# Altium PCB LJ_Mosfet_Power.PcbDoc (part 2 of 5)
Units mm, origin at the board's own origin, x right, y up, seen from the top; angles counter-clockwise.
Board outline 152.51 x 130.13 mm, 2 copper layers (Top Layer, Bottom Layer); 337 components, 193 nets, 1586 pads, 1491 vias.
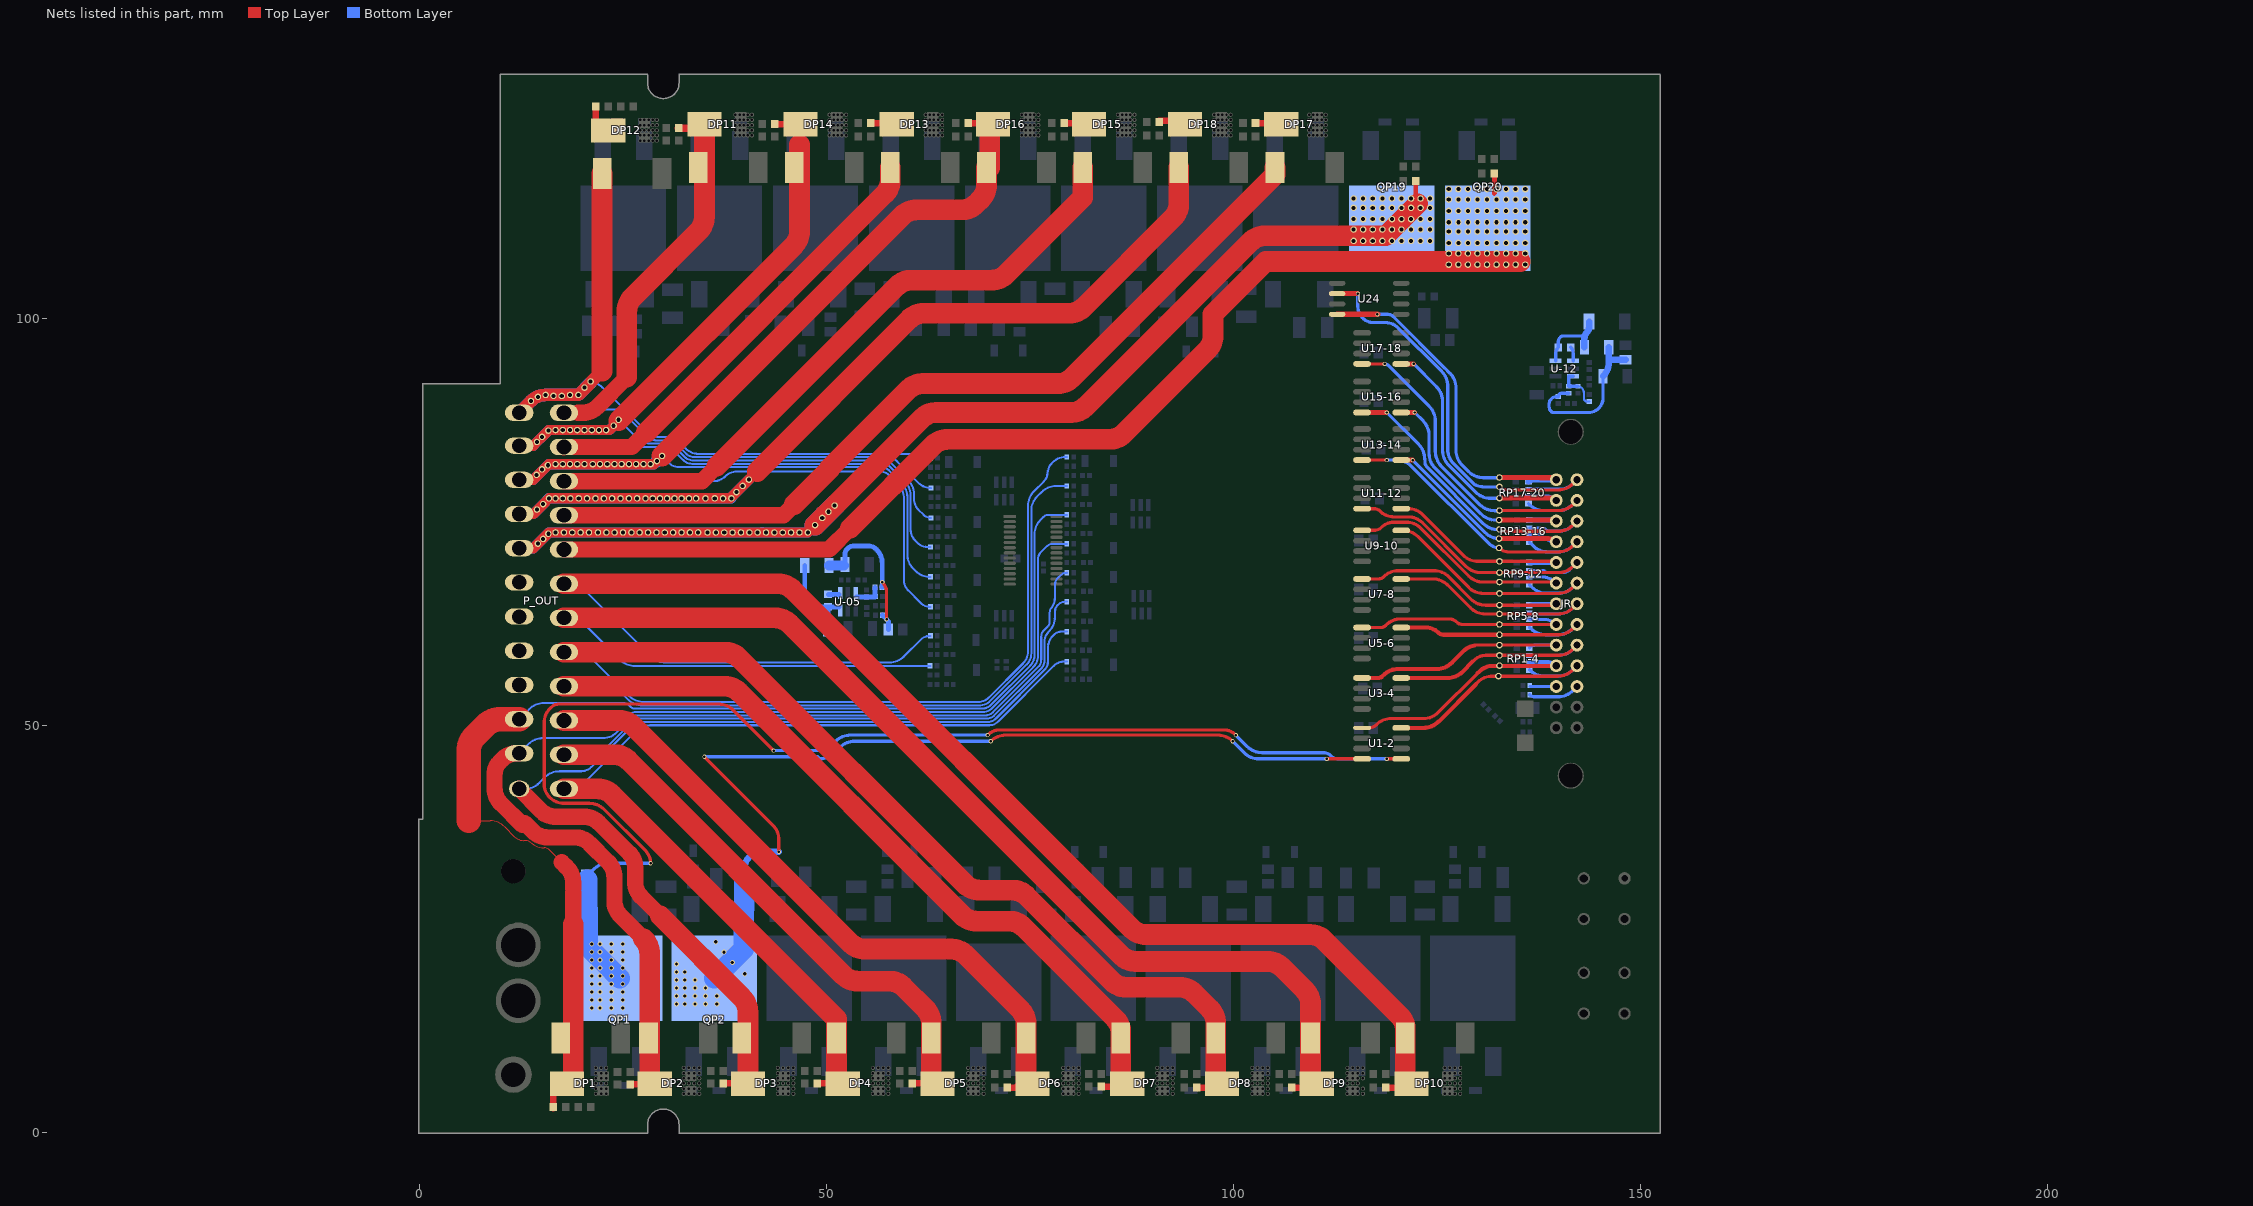
[diagram p2: the nets of this part, all layers, seen from the top]

## Via types
v1: diameter 0.5, hole 0.3, Top Layer to Bottom Layer, tented both sides, 758 vias
v2: diameter 0.6, hole 0.4, Top Layer to Bottom Layer, tented both sides, 698 vias
v3: diameter 0.8, hole 0.5, Top Layer to Bottom Layer, tented both sides, 22 vias
v4: diameter 0.6, hole 0.43, Top Layer to Bottom Layer, tented both sides, 8 vias
v5: diameter 0.5, hole 0.3, Top Layer to Bottom Layer, 3 vias
v6: diameter 0.6, hole 0.3, Top Layer to Bottom Layer, tented both sides, 2 vias

## Nets (pads, with @x,y where several pads share a name; then routed paths per layer and width w, separated by ;. In a path a pad name is that pad's centre, name@x,y a point inside that pad or via, vN(x,y) a via of type N, cw(c..) or ccw(c..) an arc to the next point about the centre after c; other vN are vias at no path point)
INTA: JR.21 RI6.2 | length 3.2
  Bottom Layer w0.4: RI6.2@136.486,54.848 JR.21@139.7,54.848
INTB: JR.22 RI7.2 | length 6.3
  Bottom Layer w0.4: RI7.2@136.442,53.832 ccw(c137.055,54.445) 137.055,53.578 139.918,53.578 ccw(c139.918,56.118) 141.714,54.322 JR.22@142.24,54.848
K_Ctrl_01: JR.20 pad.2@132.588,56.118 RP1-4.4 U1-2.4 | length 30.9
  Top Layer w0.4: 129.812,55.12 130.066,55.374 cw(c131.862,53.578) 131.862,56.118 pad.2@132.588,56.118 139.918,56.118 ccw(c139.918,58.658) 141.714,56.862 JR.20@142.24,57.388
  Top Layer w0.5: U1-2.4@120.65,49.768 123.408,49.768 ccw(c123.408,52.308) 123.411,49.768 ccw(c123.408,52.308) 125.204,50.512 129.812,55.12
  Bottom Layer w0.4: RP1-4.4@136.398,56.908 136.428,56.878 ccw(c138.224,58.674) 138.224,56.134 139.934,56.134 ccw(c139.934,58.674) 141.73,56.878 JR.20@142.24,57.388
K_Ctrl_02: JR.19 pad.2@132.715,57.404 RP1-4.3 U1-2.5 | length 30.1
  Top Layer w0.4: U1-2.5@115.85,49.768 116.682,49.768 ccw(c116.682,51.069) 117.602,50.149 117.62,50.167 cw(c119.416,48.371) 119.416,50.911 123.408,50.911 ccw(c123.408,53.451) 125.204,51.655 130.048,56.499
  Top Layer w0.5: 130.048,56.499 130.193,56.644 cw(c131.989,54.848) 131.989,57.388 JR.19@139.7,57.388
  Bottom Layer w0.5: RP1-4.3@136.398,57.858 138.565,57.858 cw(c138.565,56.253) JR.19@139.7,57.388
K_Ctrl_03: JR.18 pad.2@132.715,58.674 RP1-4.2 U3-4.4 | length 29
  Top Layer w0.4: 129.612,58.078 cw(c131.05,56.641) 131.05,58.674 pad.2@132.715,58.674 139.934,58.674 ccw(c139.934,61.214) 141.73,59.418 JR.18@142.24,59.928
  Top Layer w0.5: U3-4.4@120.65,55.896 126.361,55.896 ccw(c126.361,58.436) 128.157,56.64 129.431,57.914
  Bottom Layer w0.4: RP1-4.2@136.398,58.658 139.918,58.658 ccw(c139.918,61.198) 141.714,59.402 JR.18@142.24,59.928
K_Ctrl_04: JR.17 pad.2@132.715,59.928 RP1-4.1 U3-4.5 | length 28.6
  Top Layer w0.4: 129.675,59.895 cw(c129.755,59.815) 129.755,59.928 pad.2@132.715,59.928 JR.17@139.7,59.928
  Top Layer w0.5: U3-4.5@115.85,55.896 117.827,55.896 ccw(c117.827,56.655) 118.364,56.118 118.509,56.263 cw(c120.305,54.467) 120.305,57.007 125.059,57.007 ccw(c125.059,59.547) 126.855,57.751 128.288,59.184 cw(c130.084,57.388) 129.675,59.895
  Bottom Layer w0.4: RP1-4.1@136.398,59.608 cw(c137.171,58.835) 137.171,59.928 JR.17@139.7,59.928
K_Ctrl_05: JR.16 pad.2@132.715,61.198 RP5-8.4 U5-6.4 | length 28.8
  Top Layer w0.4: pad.2@132.334,61.198 pad.2@132.715,61.198 139.918,61.198 ccw(c139.918,63.738) 141.714,61.942 JR.16@142.24,62.468
  Top Layer w0.5: U5-6.4@120.65,62.087 123.689,62.087 cw(c123.689,59.919) 125.222,61.452 ccw(c125.835,62.065) 125.835,61.198 pad.2@132.334,61.198
  Bottom Layer w0.4: RP5-8.4@136.398,62.131 136.572,61.958 ccw(c138.368,63.754) 138.368,61.214 139.934,61.214 ccw(c139.934,63.754) 141.73,61.958 JR.16@142.24,62.468
K_Ctrl_06: JR.15 pad.2@132.715,62.468 RP5-8.3 U5-6.5 | length 27.8
  Top Layer w0.4: U5-6.5@115.85,62.087 118.132,62.087 ccw(c118.132,62.954) 118.745,62.341 118.81,62.406 cw(c120.606,60.61) 120.606,63.15 126.475,63.15 cw(c126.475,61.689) 127.508,62.722 ccw(c128.121,63.335) 128.121,62.468 pad.2@132.715,62.468 JR.15@139.7,62.468
  Bottom Layer w0.4: RP5-8.3@136.398,63.081 138.219,63.081 cw(c138.219,60.987) JR.15@139.7,62.468
K_Ctrl_07: JR.14 pad.2@132.715,63.754 RP5-8.2 U7-8.4 | length 29.8
  Top Layer w0.4: U7-8.4@120.65,68.056 124.551,68.056 cw(c124.551,65.516) 126.347,67.312 129.161,64.498 ccw(c130.957,66.294) 129.177,64.482 ccw(c130.957,66.294) 130.957,63.754 pad.2@132.715,63.754 139.934,63.754 ccw(c139.934,66.294) 141.73,64.498 JR.14@142.24,65.008
  Bottom Layer w0.4: RP5-8.2@136.398,63.881 ccw(c136.706,64.189) 136.706,63.754 139.934,63.754 ccw(c139.934,66.294) 141.73,64.498 JR.14@142.24,65.008
K_Ctrl_08: JR.13 pad.2@132.715,64.831 RP5-8.1 U7-8.5 | length 29.1
  Top Layer w0.4: U7-8.5@115.85,68.056 117.878,68.056 ccw(c117.878,68.923) 118.491,68.31 118.509,68.328 cw(c120.305,66.532) 120.305,69.072 124.678,69.072 cw(c124.678,66.532) 126.474,68.328 129.227,65.575 ccw(c131.023,67.371) 131.023,64.831 pad.2@132.715,64.831 139.274,64.831 ccw(c139.274,65.434) JR.13@139.7,65.008
  Bottom Layer w0.4: RP5-8.1@136.398,64.831 cw(c136.824,64.405) 136.824,65.008 JR.13@139.7,65.008
K_Ctrl_09: JR.12 pad.2@132.715,66.294 RP9-12.4 U9-10.4 | length 31.6
  Top Layer w0.4: U9-10.4@120.65,74.025 120.868,74.025 cw(c120.868,71.485) 122.664,73.281 128.923,67.022 ccw(c130.719,68.818) 130.719,66.278 139.918,66.278 ccw(c139.918,68.818) 141.714,67.022 JR.12@142.24,67.548
  Bottom Layer w0.4: RP9-12.4@136.398,67.355 136.715,67.038 ccw(c138.511,68.834) 138.511,66.294 139.934,66.294 ccw(c139.934,68.834) 141.73,67.038 JR.12@142.24,67.548
K_Ctrl_10: JR.11 pad.2@132.715,67.675 RP9-12.3 U9-10.5 | length 30.5
  Top Layer w0.4: U9-10.5@115.85,74.025 117.317,74.025 ccw(c117.317,75.326) 118.237,74.406 cw(c119.726,72.917) 119.726,75.023 121.552,75.023 cw(c121.249,72.501) 123.045,74.297 128.923,68.419 ccw(c130.719,70.215) 130.719,67.675 pad.2@132.715,67.675 139.393,67.675 cw(c139.393,67.241) JR.11@139.7,67.548
  Bottom Layer w0.4: RP9-12.3@136.398,68.305 137.891,68.305 cw(c137.891,65.765) 139.687,67.561 JR.11@139.7,67.548
K_Ctrl_11: JR.10 pad.2@132.715,68.834 RP9-12.2 U11-12.4 | length 36.1
  Top Layer w0.4: U11-12.4@115.85,76.692 117.37,76.692 cw(c117.37,75.825) 117.983,76.438 118.001,76.42 ccw(c119.797,78.216) 119.797,75.676 121.503,75.676 cw(c121.503,73.136) 123.299,74.932 128.653,69.578 ccw(c130.449,71.374) 130.449,68.834 pad.2@132.715,68.834 139.934,68.834 ccw(c139.934,71.374) 141.73,69.578 JR.10@142.24,70.088
  Bottom Layer w0.4: RP9-12.2@136.398,69.105 137.955,69.105 cw(c137.955,68.613) 138.303,68.961 ccw(c138.61,69.268) 138.61,68.834 140.335,68.834 ccw(c140.335,70.406) 141.446,69.294 JR.10@142.24,70.088
K_Ctrl_12: JR.9 pad.2@132.715,70.215 RP9-12.1 U11-12.5 | length 24.9
  Top Layer w0.4: U11-12.5@120.65,76.692 121.503,76.692 cw(c121.503,74.152) 123.299,75.948 128.288,70.959 ccw(c130.084,72.755) 130.084,70.215 pad.2@132.715,70.215 139.393,70.215 cw(c139.393,69.781) JR.9@139.7,70.088
  Bottom Layer w0.6: RP9-12.1@136.398,70.055 139.62,70.055 ccw(c139.62,70.168) JR.9@139.7,70.088
K_Ctrl_13: JR.8 pad.2@132.676,71.866 RP13-16.4 U13-14.4 | length 37.9
  Top Layer w0.4: U13-14.4@115.85,82.661 v1(118.872,82.661) ; pad.2@132.676,71.866 ccw(c133.864,73.054) 133.864,71.374 139.934,71.374 ccw(c139.934,73.914) 141.73,72.118 JR.8@142.24,72.628
  Bottom Layer w0.4: v1(118.872,82.661) 120.106,82.661 cw(c120.106,80.121) 121.902,81.917 131.404,72.415 ccw(c132.679,73.69) pad.2@132.679,71.887 ; RP13-16.4@136.398,72.578 136.859,72.118 ccw(c138.655,73.914) 138.655,71.374 139.934,71.374 ccw(c139.934,73.914) 141.73,72.118 JR.8@142.24,72.628
K_Ctrl_14: JR.7 pad.2@132.676,73.009 RP13-16.3 U13-14.5 | length 26.7
  Top Layer w0.6: U13-14.5@120.65,82.661 v1(122.047,82.661) ; pad.2@132.676,73.009 138.78,73.009 cw(c138.78,71.708) JR.7@139.7,72.628
  Bottom Layer w0.4: v1(122.047,82.661) 130.955,73.753 ccw(c132.751,75.549) pad.2@132.751,73.009 ; RP13-16.3@136.398,73.529 137.447,73.529 cw(c137.447,72.677) 138.049,73.279 ccw(c139.621,74.851) 139.621,72.628 JR.7@139.7,72.628
K_Ctrl_15: JR.6 pad.2@132.715,74.152 RP13-16.2 U15-16.4 | length 39.8
  Top Layer w0.4: pad.2@132.715,74.152 ccw(c133.29,74.727) 133.29,73.914 139.934,73.914 ccw(c139.934,76.454) 141.73,74.658 JR.6@142.24,75.168
  Top Layer w0.6: U15-16.4@115.85,88.503 117.77,88.503 ; 117.892,88.503 v1(118.872,88.503)
  Bottom Layer w0.4: v1(118.872,88.503) 122.794,84.581 cw(c120.998,82.785) 123.538,82.785 123.538,82.782 cw(c121.425,82.407) 123.571,82.407 ccw(c124.491,82.407) 123.84,81.757 130.74,74.857 ccw(c132.536,76.653) 132.536,74.113 pad.2@132.715,74.113 ; RP13-16.2@136.398,74.328 138.095,74.328 cw(c138.095,74.214) 138.176,74.295 ccw(c139.096,75.215) 139.096,73.914 139.934,73.914 ccw(c139.934,76.454) 141.73,74.658 JR.6@142.24,75.168
K_Ctrl_16: JR.5 pad.2@132.676,75.295 RP13-16.1 U15-16.5 | length 30.1
  Top Layer w0.4: JR.5@139.59,75.278 JR.5@139.7,75.168
  Top Layer w0.6: U15-16.5@120.65,88.503 v1(122.301,88.503) ; pad.2@132.676,75.295 139.55,75.295 cw(c139.55,75.239) JR.5@139.589,75.279
  Bottom Layer w0.4: v1(122.301,88.503) 123.335,87.469 cw(c121.539,85.673) 124.079,85.673 124.079,83.459 ccw(c126.619,83.459) 124.823,81.663 130.447,76.039 ccw(c132.243,77.835) 132.243,75.295 pad.2@132.676,75.295 pad.2@132.715,75.295
  Bottom Layer w0.6: RP13-16.1@136.398,75.278 139.433,75.278 cw(c139.433,74.901) JR.5@139.7,75.168
K_Ctrl_17: JR.4 pad.2@132.715,76.454 RP17-20.4 U17-18.4 | length 44.2
  Top Layer w0.4: U17-18.4@115.85,94.472 cw(c116.157,94.165) 116.157,94.599 116.284,94.472 v1(118.618,94.472) ; pad.2@132.715,76.454 139.934,76.454 ccw(c139.934,78.994) 141.714,77.182 ccw(c139.934,78.994) 141.73,77.198 JR.4@142.24,77.708
  Bottom Layer w0.4: v1(118.618,94.472) cw(c118.618,93.859) 119.052,94.292 124.097,89.247 cw(c122.301,87.451) 124.841,87.451 124.841,83.713 ccw(c127.381,83.713) 125.585,81.917 130.32,77.182 ccw(c132.116,78.978) 132.116,76.438 pad.2@132.842,76.438 ; RP17-20.4@136.287,77.31 136.399,77.198 ccw(c138.195,78.994) 138.195,76.454 139.934,76.454 ccw(c139.934,78.994) 141.73,77.198 JR.4@142.24,77.708
K_Ctrl_18: JR.3 pad.2@132.715,77.978 RP17-20.3 U17-18.5 | length 34.1
  Top Layer w0.6: U17-18.5@120.65,94.472 v1(122.174,94.472) ; pad.2@132.715,77.978 139.048,77.978 cw(c139.048,77.056) JR.3@139.7,77.708
  Bottom Layer w0.4: v1(122.174,94.472) 124.986,91.66 cw(c123.19,89.864) 125.724,90.033 cw(c123.19,89.864) 125.73,89.864 125.73,83.84 ccw(c128.27,83.84) 126.474,82.044 129.812,78.706 ccw(c131.608,80.502) 131.608,77.962 pad.2@132.842,77.962 ; RP17-20.3@136.287,78.26 138.367,78.26 cw(c138.367,76.375) JR.3@139.7,77.708
K_Ctrl_19: JR.2 pad.2@132.715,79.375 RP17-20.2 U24.2 | length 52.9
  Top Layer w0.4: pad.2@132.715,79.375 ccw(c133.635,80.295) 133.635,78.994 139.934,78.994 ccw(c139.934,81.534) 141.714,79.722 ccw(c139.934,81.534) 141.73,79.738 JR.2@142.24,80.248
  Top Layer w0.6: U24.2@112.776,103.108 v1(115.316,103.108)
  Bottom Layer w0.4: v1(115.316,103.108) 115.316,101.503 ccw(c117.267,101.503) 115.887,100.124 ccw(c117.267,101.503) 117.267,99.552 118.717,99.552 cw(c118.717,97.384) 120.249,98.918 cw(c118.717,97.384) 120.25,98.917 125.621,93.546 cw(c123.825,91.75) 126.365,91.75 126.365,83.986 ccw(c128.905,83.986) 127.109,82.19 129.629,79.67 ccw(c130.846,81.899) 130.846,79.359 pad.2@132.842,79.359 ; RP17-20.2@136.287,79.06 140,79.06 ccw(c140,81.6) 141.796,79.804 JR.2@142.24,80.248
K_Ctrl_20: JR.1 pad.2@132.715,80.518 RP17-20.1 U24.4 | length 47.9
  Top Layer w0.6: pad.2@132.715,80.518 139.048,80.518 cw(c139.048,79.596) JR.1@139.7,80.248
  Top Layer w0.7: U24.4@112.776,100.568 v1(117.729,100.568) ; 137.795,80.502 139.087,80.502 cw(c139.087,79.635) JR.1@139.7,80.248
  Bottom Layer w0.4: v1(117.729,100.568) 118.999,100.568 cw(c118.999,99.648) 119.649,100.299 125.984,93.964 ; 125.992,93.972 126.637,93.326 cw(c124.841,91.53) 126.795,93.153 cw(c124.841,91.53) 127.381,91.53 127.381,83.84 ccw(c129.921,83.84) 128.125,82.044 128.923,81.246 ccw(c130.719,83.042) 130.719,80.502 pad.2@132.842,80.502
  Bottom Layer w0.7: 137.795,80.502 137.475,80.502 ccw(c137.475,78.822) RP17-20.1@136.287,80.01 cw(c136.862,79.435) 136.862,80.248 JR.1@139.7,80.248
K_Out_01: DP1.2 DX_1.2 P_OUT.3 R3.2 RL_01.2 | length 150.7
  Top Layer w0.152: 6.096,38.338 8.727,38.338 cw(c8.727,35.798) 10.523,37.594 11.712,36.405 ccw(c12.871,37.563) 12.871,35.925 cw(c12.871,34.191) 13.653,35.738 ccw(c15.349,37.434) 15.349,35.036 cw(c15.349,34.072) 16.03,34.754 17.526,33.258 ; 18.923,29.539 18.923,30.047
  Top Layer w0.8: RL_01.2@16.502,3.032 RL_01.2@16.502,3.159 DP1.2@16.502,5.327 ; DP1.2@17.177,5.572 17.653,6.048 cw(c17.059,5.454) DP1.2@17.899,5.454
  Top Layer w2: 17.526,33.258 18.179,32.605 cw(c16.383,30.809) 18.923,30.809 18.923,30.047 ; 18.923,25.602 18.923,29.539
  Top Layer w2.54: DP1.2@18.923,6.175 18.923,25.602
  Top Layer w3: 6.096,38.338 6.096,46.938 cw(c8.636,46.938) 6.84,48.734 8.192,50.086 cw(c9.988,48.29) 9.988,50.83 P_OUT.3@12.3,50.83
  Bottom Layer w0.254: P_OUT.3@12.3,50.83 13.542,52.072 ; 25.871,52.466 ccw(c25.026,51.62) 25.026,52.816 15.338,52.816 ; 25.872,52.466 26.03,52.308 ccw(c26.494,52.773) 26.494,52.116 69.127,52.116 ccw(c69.127,53.676) 70.231,52.573 75.057,57.399 ; 75.058,57.4 ccw(c73.71,58.746) 75.615,58.746 75.615,73.531 cw(c78.155,73.531) 76.359,75.327 76.708,75.676 cw(c77.321,75.063) 77.321,75.93 R3.2@79.569,75.93 ; 13.542,52.072 cw(c15.338,50.276) 15.338,52.816 ; 13.542,52.072 cw(c15.338,50.276) 15.338,52.816
K_Out_02: DP2.2 DX_2.2 P_OUT.2 R6.2 RL_02.2 | length 139.5
  Top Layer w0.8: RL_02.2@25.916,5.953 28.861,5.953 DP2.2@28.956,6.048
  Top Layer w2: P_OUT.2@12.3,46.63 12.011,46.63 ccw(c12.011,44.09) 10.215,45.886 9.906,45.577 ccw(c11.439,44.044) 9.271,44.044 9.271,42.311 ccw(c11.811,42.311) 10.015,40.515 12.7,37.83 ; 12.954,38.084 13.988,37.05 ccw(c15.784,38.846) 15.784,36.306 19.141,36.306 cw(c19.141,33.766) 20.937,35.562 23.259,33.24 cw(c21.463,31.444) 24.003,31.444 24.003,28.468 ccw(c26.543,28.468) 24.747,26.672 27.577,23.842
  Top Layer w2.54: 27.577,23.842 cw(c25.781,22.046) 28.321,22.046 DP2.2@28.321,6.823 ; DP2.2@28.181,6.823 DP2.2@28.956,6.048
  Bottom Layer w0.254: P_OUT.2@12.3,46.63 13.424,47.754 ; 24.236,49.173 cw(c22.606,50.804) 22.606,48.498 15.22,48.498 ; 24.237,49.173 25.997,50.934 cw(c26.924,50.007) 26.731,51.304 69.58,51.304 ccw(c69.58,52.583) 70.485,51.678 76.183,57.377 ccw(c75.078,58.15) 76.427,58.15 76.427,60.944 cw(c77.588,60.944) 76.767,61.765 77.216,62.214 ccw(c76.603,62.827) 77.47,62.827 77.47,63.906 cw(c78.457,63.906) 77.587,64.373 ; R6.2@79.569,68.818 ccw(c79.569,67.736) 78.804,68.501 78.486,68.183 ccw(c79.406,67.263) 78.105,67.263 78.105,65.779 cw(c75.937,65.779) 77.759,64.604 ; 13.424,47.754 cw(c15.22,45.958) 15.22,48.498 ; 13.424,47.754 cw(c15.22,45.958) 15.22,48.498 ; 77.587,64.373 cw(c78.457,63.906) 77.759,64.604 ; 77.587,64.373 ccw(c75.937,65.779) 77.759,64.604
K_Out_03: DP3.2 DX_3.2 P_OUT.1 R9.2 RL_03.2 | length 130.7
  Top Layer w0.8: RL_03.2@37.346,6.08 40.321,6.08 cw(c40.321,5.971) DP3.2@40.399,6.048
  Top Layer w2: P_OUT.1@12.3,42.27 14.98,39.59 ; 15.361,39.209 14.98,39.59 ; 29.617,26.68 27.287,29.01 cw(c29.083,30.806) 26.543,30.806 26.543,32.623 ccw(c24.09,32.623) 25.825,34.357 22.08,38.102 ccw(c20.284,36.306) 20.284,38.846 16.776,38.846 cw(c16.776,41.386) 14.98,39.59
  Top Layer w2.54: 29.617,26.68 39.655,16.642 cw(c37.859,14.846) 40.399,14.846 DP3.2@40.399,6.048
  Bottom Layer w0.254: P_OUT.1@12.3,42.27 12.986,42.27 ccw(c12.986,44.783) 14.762,43.005 ; 14.763,43.006 15.447,43.69 cw(c17.243,41.894) 17.243,44.434 19.939,44.434 ccw(c19.939,46.14) 21.145,44.933 26.162,49.95 cw(c27.468,48.644) 27.468,50.492 69.853,50.492 ccw(c69.853,51.924) 70.866,50.911 76.835,56.88 ccw(c75.86,57.855) 77.239,57.855 77.239,59.547 cw(c79.441,59.547) 77.883,61.103 ; 77.884,61.104 77.978,61.198 ; 77.979,61.199 cw(c78.898,60.278) 78.898,61.579 R9.2@79.569,61.579
K_Out_04: DP4.2 DX_4.2 P_OUT.13 R12.2 RL_04.2 | length 122.8
  Top Layer w0.8: RL_04.2@48.903,6.08 50.529,6.08 DP4.2@51.272,6.823
  Top Layer w2.54: P_OUT.13@17.8,42.27 21.94,42.27 cw(c21.94,39.73) 23.736,41.526 51.272,13.99 DX_4.2@51.272,11.668 DP4.2@51.272,6.823
  Bottom Layer w0.254: P_OUT.13@17.8,42.27 18.475,42.27 ccw(c18.475,44.81) 20.271,43.014 26.599,49.342 cw(c28.395,47.546) 28.395,50.086 70.047,50.086 ccw(c70.047,51.603) 71.12,50.53 77.978,57.388 cw(c79.204,56.162) 79.204,57.896 R12.2@79.569,57.896
K_Out_05: DP5.2 DX_5.2 P_OUT.14 R15.2 RL_05.2 | length 142.9
  Top Layer w0.8: RL_05.2@60.587,6.08 63.662,6.08 DP5.2@63.694,6.048 DP5.2@63.218,5.572
  Top Layer w2.54: P_OUT.14@17.8,46.47 23.963,46.47 cw(c23.963,43.93) 25.759,45.726 52.088,19.397 ccw(c53.884,21.193) 53.884,18.653 57.749,18.653 cw(c57.749,16.113) 59.545,17.909 62.175,15.279 cw(c60.379,13.482) 62.919,13.482 DX_5.2@62.919,11.668 62.919,6.823 DP5.2@63.662,6.08
  Bottom Layer w0.254: P_OUT.14@17.8,46.47 21.539,46.47 ccw(c21.539,47.419) 22.211,46.748 ccw(c21.055,49.01) 22.851,47.214 26.17,50.533 ; 26.171,50.533 cw(c27.051,49.652) 27.051,50.898 69.728,50.898 ccw(c69.728,52.237) 70.611,51.23 76.497,57.116 ccw(c75.332,58.063) 76.833,58.063 76.833,60.348 cw(c78.574,60.348) 77.343,61.579 77.361,61.597 ccw(c75.565,63.393) 78.105,63.393 78.105,63.961 cw(c79.406,63.961) 78.486,64.881 cw(c79.406,63.961) 79.406,65.262 R15.2@79.569,65.262
K_Out_06: DP6.2 DX_6.2 P_OUT.15 R18.2 RL_06.2 | length 159.9
  Top Layer w0.8: RL_06.2@72.271,5.572 73.316,5.572 DP6.2@74.567,6.823
  Top Layer w2.54: P_OUT.15@17.8,50.67 24.589,50.67 cw(c24.589,48.13) 26.385,49.926 52.977,23.334 ccw(c54.773,25.13) 54.773,22.59 65.369,22.59 cw(c65.369,20.05) 67.165,21.846 73.823,15.188 cw(c72.027,13.392) 74.567,13.392 DX_6.2@74.567,11.668 DP6.2@74.567,6.823
  Bottom Layer w0.254: P_OUT.15@17.8,50.67 24.629,50.67 ccw(c24.629,51.949) 25.534,51.045 25.908,51.419 cw(c26.61,50.717) 26.61,51.71 69.215,51.71 ccw(c69.215,53.522) 70.31,52.078 75.438,57.206 ccw(c74.031,58.613) 76.021,58.613 76.021,70.469 cw(c77.256,70.469) 76.383,71.342 77.034,71.993 ; 77.034,71.994 cw(c77.953,71.073) 77.953,72.374 R18.2@79.569,72.374
K_Out_07: DP7.2 DX_7.2 P_OUT.16 R21.2 RL_07.2 | length 180.7
  Top Layer w0.8: RL_07.2@83.828,5.699 86.641,5.699 DP7.2@86.99,6.048
  Top Layer w2.54: P_OUT.16@17.8,54.87 37.534,54.87 cw(c37.534,52.33) 39.33,54.126 66.693,26.763 ccw(c68.489,28.559) 68.489,26.019 72.481,26.019 cw(c72.481,23.479) 74.277,25.275 85.471,14.081 cw(c83.675,12.285) 86.215,12.285 DX_7.2@86.215,11.668 86.215,6.823 DP7.2@86.99,6.048
  Bottom Layer w0.254: P_OUT.16@17.8,54.87 22.99,54.87 cw(c22.99,52.33) 24.786,54.126 25.654,53.258 ccw(c27.431,55.035) 27.431,52.522 68.767,52.522 ccw(c68.767,54.611) 70.033,52.949 74.652,57.568 ; 74.653,57.569 ccw(c73.309,58.912) 75.209,58.912 75.209,76.427 cw(c77.749,76.427) 75.953,78.223 76.472,78.742 cw(c78.268,76.946) 78.268,79.486 R21.2@79.569,79.486
K_Out_08: DP8.2 DX_8.2 P_OUT.17 R24.2 RL_08.2 | length 198.6
  Top Layer w0.8: RL_08.2@95.512,5.572 98.161,5.572 DP8.2@98.637,6.048
  Top Layer w2.54: P_OUT.17@17.8,59.07 37.525,59.07 cw(c37.525,56.53) 39.321,58.326 67.074,30.573 ccw(c68.87,32.369) 68.87,29.829 72.862,29.829 cw(c72.862,27.289) 74.658,29.085 85.108,18.635 ccw(c86.904,20.431) 86.904,17.891 93.436,17.891 cw(c93.436,15.351) 95.232,17.147 97.119,15.26 cw(c95.323,13.464) 97.863,13.464 DX_8.2@97.863,11.668 97.863,6.823 DP8.2@98.637,6.048
  Bottom Layer w0.254: P_OUT.17@17.8,59.07 19.364,59.07 cw(c19.364,56.53) 21.16,58.326 25.814,53.672 ccw(c27.611,55.468) 27.611,52.928 41.514,52.928 41.529,52.943 68.707,52.943 ccw(c68.707,54.744) 69.98,53.47 ; 69.98,53.47 74.186,57.676 ccw(c72.695,59.166) 74.803,59.166 74.803,77.037 cw(c77.343,77.037) 75.547,78.833 76.726,80.012 ccw(c75.598,81.141) 77.167,80.849 ; 77.194,81.141 cw(c75.598,81.141) 77.167,80.849 ; R24.2@79.569,83.042 79.419,83.042 ccw(c79.419,80.789) 77.826,82.382 ccw(c79.419,80.789) 77.167,80.849
K_Out_09: DP9.2 DX_9.2 P_OUT.18 R27.2 RL_09.2 | length 172.1
  Top Layer w0.8: RL_09.2@107.196,5.572 109.136,5.572 ccw(c109.136,7.197) DP9.2@110.285,6.048
  Top Layer w2.54: P_OUT.18@17.8,63.27 43.739,63.27 cw(c43.739,60.73) 45.535,62.526 86.251,21.81 ccw(c88.047,23.606) 88.047,21.066 104.231,21.066 cw(c104.231,18.526) 106.027,20.322 108.766,17.583 cw(c106.97,15.787) 109.51,15.787 DX_9.2@109.51,11.668 109.51,6.823 DP9.2@110.285,6.048
  Bottom Layer w0.254: P_OUT.18@17.8,63.27 18.475,63.27 cw(c18.475,60.73) 20.271,62.526 24.687,58.11 ccw(c26.483,59.907) 26.304,57.373 ccw(c26.483,59.907) 26.483,57.367 59.205,57.367 59.227,57.388 R27.2@62.805,57.388
K_Out_10: DP10.2 DX_10.2 P_OUT.19 R30.2 RL_10.2 | length 186.5
  Top Layer w0.8: RL_10.2@118.753,5.572 121.457,5.572 DP10.2@121.933,6.048
  Top Layer w2.54: P_OUT.19@17.8,67.47 44.111,67.47 cw(c44.111,64.93) 45.907,66.726 87.521,25.112 ccw(c89.317,26.908) 89.317,24.368 109.438,24.368 cw(c109.438,21.828) 111.234,23.624 120.414,14.444 cw(c118.618,12.648) 121.158,12.648 DX_10.2@121.158,11.668 121.158,6.823 DP10.2@121.933,6.048
  Bottom Layer w0.254: P_OUT.19@17.8,67.47 18.475,67.47 cw(c18.475,64.93) 20.271,66.726 28.459,58.538 ccw(c30.255,60.334) 29.61,57.877 ccw(c30.255,60.334) 30.255,57.794 57.774,57.794 ccw(c57.774,60.334) 59.57,58.538 61.607,60.575 cw(c62.805,59.376) R30.2@62.805,61.071
K_Out_11: DP11.2 DX_11.2 P_OUT.24 R33.2 RL_11.2 | length 94.6
  Top Layer w0.96: RL_11.2@31.885,123.428 34.576,123.428 DP11.2@35.052,123.904
  Top Layer w2: P_OUT.24@19.527,88.47 20.121,88.47 ccw(c20.121,91.01) 21.917,89.214 25.524,92.821
  Top Layer w2.54: 25.524,92.821 25.524,100.91 cw(c28.064,100.91) 26.268,102.706 34.308,110.746 ccw(c32.512,112.542) 35.052,112.542 DP11.2@35.052,123.904
  Bottom Layer w0.254: P_OUT.24@17.8,88.47 cw(c18.799,87.471) 18.799,88.884 24.13,88.884 cw(c24.13,87.658) 24.997,88.525 ; 24.997,88.525 27.896,85.626 ccw(c29.21,86.941) 29.21,85.082 30.524,85.082 cw(c30.524,83.528) 31.622,84.628 ; 31.623,84.627 32.766,83.484 ; 32.767,83.483 ccw(c33.904,84.622) 33.812,83.015 57.404,83.015 cw(c57.404,81.11) 58.751,82.457 61.341,79.867 ccw(c62.874,81.4) 62.874,79.232 R33.2@62.887,79.232
K_Out_12: DP12.2 DX_12.2 P_OUT.12 pad.4@13.748,89.918 pad.4@14.605,90.424 pad.4@15.544,90.662 pad.4@16.51,90.551 pad.4@17.526,90.535 pad.4@18.542,90.662 pad.4@19.558,90.662 pad.4@20.32,91.551 pad.4@21.082,92.313 R36.2 RL_12.2 | length 93.5
  Top Layer w0.8: DP12.2@21.709,124.444 RL_12.2@21.709,126.095
  Top Layer w1.54: P_OUT.12@12.3,88.47 pad.4@13.748,89.918 cw(c15.544,88.122) pad.4@15.544,90.662 17.526,90.662 pad.4@18.542,90.662 pad.4@19.558,90.662 22.479,93.583
  Top Layer w2.54: 22.479,93.583 DX_12.2@22.479,117.865
  Bottom Layer w0.254: pad.4@21.082,92.186 cw(c21.082,90.187) 22.496,91.6 28.006,86.09 ccw(c29.46,87.543) 29.46,85.488 30.607,85.488 cw(c30.607,83.728) 31.851,84.973 ; 31.851,84.973 32.766,84.058 ccw(c34.299,85.591) 32.767,84.057 ccw(c34.299,85.591) 34.299,83.423 61.595,83.423 cw(c61.595,81.689) R36.2@62.82,82.916
  Bottom Layer w1.54: P_OUT.12@12.3,88.47 pad.4@13.748,89.918 cw(c15.544,88.122) pad.4@15.544,90.662 17.526,90.662 pad.4@18.542,90.662 pad.4@19.558,90.662 pad.4@21.082,92.186
K_Out_13: DP13.2 DX_13.2 P_OUT.23 R39.2 RL_13.2 | length 112.3
  Top Layer w0.254: P_OUT.23@17.653,84.185 ccw(c17.653,84.335) P_OUT.23@17.759,84.229
  Top Layer w0.8: RL_13.2@55.507,124.063 58.515,124.063 DP13.2@58.674,123.904
  Top Layer w2: P_OUT.23@17.759,84.229 cw(c17.859,84.129) 17.859,84.27 26.12,84.27 27.94,86.09
  Top Layer w2.54: 27.94,86.09 57.155,115.305 ccw(c55.359,117.101) 57.899,117.101 DX_13.2@57.899,118.602
  Bottom Layer w0.254: P_OUT.23@17.8,84.27 30.251,84.27 cw(c30.251,82.868) 31.242,83.859 32.44,82.661 ccw(c33.546,83.767) 33.546,82.203 56.884,82.203 cw(c56.884,80.75) 57.912,81.777 59.69,79.999 cw(c58.01,78.319) 60.386,78.319 60.386,74.141 ccw(c62.346,74.141) 60.96,72.755 61.214,72.501 ccw(c62.44,73.727) 62.44,71.993 R39.2@62.843,71.993
K_Out_14: DP14.2 DX_14.2 P_OUT.11 pad.4@14.478,84.881 pad.4@15.113,85.516 pad.4@15.875,86.278 pad.4@16.764,86.344 pad.4@17.653,86.344 pad.4@18.542,86.344 pad.4@19.431,86.344 pad.4@20.32,86.344 pad.4@21.209,86.344 pad.4@22.098,86.335 pad.4@22.987,86.344 pad.4@23.903,86.879 pad.4@24.511,87.614 R42.2 RL_14.2 | length 113.9
  Top Layer w0.8: RL_14.2@43.696,123.936 46.831,123.936 DP14.2@46.863,123.904
  Top Layer w1.27: P_OUT.11@14.027,84.43 pad.4@14.478,84.881 pad.4@15.113,85.516 pad.4@15.875,86.278 15.941,86.344 pad.4@16.764,86.344 pad.4@17.653,86.344 pad.4@18.542,86.344 pad.4@19.431,86.344 pad.4@20.32,86.344 pad.4@21.209,86.344 pad.4@22.987,86.344 23.368,86.344 pad.4@23.903,86.879 pad.4@24.511,87.487
  Top Layer w2.54: pad.4@24.511,87.487 45.992,108.968 ccw(c44.196,110.764) 46.736,110.764 46.736,121.396
  Bottom Layer w0.254: pad.4@24.511,87.614 26.797,85.328 ccw(c28.371,86.902) 28.371,84.676 30.298,84.676 cw(c30.298,82.981) 31.495,84.18 ; 31.496,84.18 32.636,83.039 ccw(c33.694,84.097) 33.54,82.609 57.189,82.609 cw(c57.189,81.486) 57.984,82.28 60.084,80.18 cw(c58.374,78.47) 60.792,78.47 60.792,77.891 ccw(c62.667,77.891) 61.341,76.565 61.982,75.924 ccw(c62.887,76.829) R42.2@62.887,75.549
  Bottom Layer w1.27: P_OUT.11@14.027,84.43 pad.4@14.478,84.881 pad.4@15.113,85.516 pad.4@15.875,86.278 15.941,86.344 pad.4@16.764,86.344 pad.4@17.653,86.344 pad.4@18.542,86.344 pad.4@19.431,86.344 pad.4@20.32,86.344 pad.4@21.209,86.344 pad.4@22.987,86.344 23.368,86.344 pad.4@23.903,86.879 pad.4@24.511,87.487
K_Out_15: DP15.2 DX_15.2 P_OUT.22 R45.2 RL_15.2 | length 143.8
  Top Layer w0.8: RL_15.2@79.256,124.063 81.629,124.063 81.883,124.317 DP15.2@82.296,123.904
  Top Layer w2: P_OUT.22@17.8,80.07 34.747,80.07 36.576,81.899
  Top Layer w2.54: 36.576,81.899 58.692,104.015 cw(c60.488,102.219) 60.488,104.759 70.322,104.759 ccw(c70.322,107.299) 72.118,105.503 81.521,114.906 DX_15.2@81.521,118.602
  Bottom Layer w0.254: P_OUT.22@17.8,80.07 36.195,80.07 ccw(c36.195,82.093) 37.626,80.663 37.63,80.667 ; 37.631,80.668 cw(c39.071,79.226) 39.071,81.264 56.642,81.264 cw(c56.642,79.731) 57.726,80.815 58.83,79.711 cw(c57.034,77.915) 59.574,77.915 59.574,67.859 ccw(c61.271,67.859) 60.07,66.66 ; 60.071,66.659 61.595,65.135 ; 61.596,65.134 ccw(c62.821,66.36) R45.2@62.821,64.627
K_Out_16: DP16.2 DX_16.2 P_OUT.10 pad.4@14.442,80.847 pad.4@15.113,81.518 pad.4@15.823,82.026 pad.4@16.764,82.153 pad.4@17.653,82.153 pad.4@18.542,82.153 pad.4@19.431,82.153 pad.4@20.32,82.153 pad.4@21.336,82.153 pad.4@22.225,82.153 pad.4@23.114,82.153 pad.4@24.003,82.153 pad.4@24.892,82.153 pad.4@25.781,82.153 pad.4@26.67,82.153 pad.4@27.559,82.153 pad.4@28.448,82.153 pad.4@29.21,82.534 pad.4@29.845,83.169 R48.2 RL_16.2 | length 146.1
  Top Layer w0.8: RL_16.2@67.445,124.063 DP16.2@70.326,124.063
  Top Layer w1.27: P_OUT.10@12.3,80.23 14.027,80.23 pad.4@15.823,82.026 15.95,82.153 pad.4@16.764,82.153 pad.4@17.653,82.153 pad.4@18.542,82.153 pad.4@19.431,82.153 pad.4@20.32,82.153 pad.4@21.336,82.153 pad.4@22.225,82.153 pad.4@23.114,82.153 pad.4@24.003,82.153 pad.4@24.892,82.153 pad.4@25.781,82.153 pad.4@26.67,82.153 pad.4@27.559,82.153 pad.4@28.448,82.153 28.829,82.153 pad.4@29.21,82.534 pad.4@29.845,83.169
  Top Layer w2.54: pad.4@29.845,83.169 59.327,112.651 cw(c61.123,110.855) 61.123,113.395 66.639,113.395 ccw(c66.639,115.935) 68.435,114.139 68.966,114.67 ccw(c67.17,116.466) 69.71,116.466 DX_16.2@69.71,118.602 ; DX_16.2@70.104,118.602 70.104,123.841 DP16.2@70.326,124.063
  Bottom Layer w0.254: pad.4@29.845,83.169 30.734,82.28 ccw(c31.9,83.446) 31.9,81.797 56.642,81.797 cw(c56.642,80.137) 57.695,81.42 59.236,79.879 cw(c57.44,78.083) 59.98,78.083 59.98,71.079 ccw(c62.459,71.079) 60.706,69.326 60.978,69.054 ccw(c62.774,70.85) 62.774,68.31 R48.2@62.849,68.31
  Bottom Layer w1.27: P_OUT.10@12.3,80.23 14.027,80.23 pad.4@15.823,82.026 15.95,82.153 pad.4@16.764,82.153 pad.4@17.653,82.153 pad.4@18.542,82.153 pad.4@19.431,82.153 pad.4@20.32,82.153 pad.4@21.336,82.153 pad.4@22.225,82.153 pad.4@23.114,82.153 pad.4@24.003,82.153 pad.4@24.892,82.153 pad.4@25.781,82.153 pad.4@26.67,82.153 pad.4@27.559,82.153 pad.4@28.448,82.153 28.829,82.153 pad.4@29.21,82.534
  Bottom Layer w1.54: pad.4@29.21,82.534 pad.4@29.845,83.169
K_Out_17: DP17.2 DX_17.2 P_OUT.21 RL_17.2 | length 108.4
  Top Layer w0.8: RL_17.2@103.005,124.063 105.759,124.063 DP17.2@105.918,123.904
  Top Layer w2: P_OUT.21@17.8,75.87 44.771,75.87 46.101,77.2
  Top Layer w2.54: 46.101,77.2 50.419,81.518 50.419,81.645 60.089,91.315 cw(c61.885,89.519) 61.885,92.059 78.45,92.059 ccw(c78.45,94.599) 80.246,92.803 105.143,117.7 DX_17.2@105.143,118.602
K_Out_18: DP18.2 DX_18.2 P_OUT.9 pad.4@14.478,76.581 pad.4@15.24,77.243 pad.4@15.959,77.962 pad.4@16.764,77.962 pad.4@17.653,77.962 pad.4@18.584,77.962 pad.4@19.611,77.962 pad.4@20.638,77.962 pad.4@21.664,77.962 pad.4@22.691,77.962 pad.4@23.717,77.962 pad.4@24.744,77.962 pad.4@25.77,77.962 pad.4@26.797,77.962 pad.4@27.813,77.962 pad.4@28.702,77.962 pad.4@29.591,77.962 pad.4@30.48,77.962 pad.4@31.369,77.962 pad.4@32.258,77.962 pad.4@33.147,77.953 pad.4@34.036,77.962 pad.4@35.179,77.962 pad.4@36.322,77.962 pad.4@37.338,77.962 pad.4@38.354,77.962 pad.4@38.989,78.724 pad.4@39.751,79.486 pad.4@40.513,80.248 RL_18.2 | length 131.5
  Top Layer w0.8: RL_18.2@90.94,124.317 DP18.2@93.694,124.317
  Top Layer w1.27: P_OUT.9@14.027,76.03 pad.4@15.24,77.243 pad.4@15.959,77.962 pad.4@16.764,77.962 pad.4@17.653,77.962 pad.4@18.584,77.962 pad.4@19.611,77.962 pad.4@20.638,77.962 pad.4@21.664,77.962 pad.4@22.691,77.962 pad.4@23.717,77.962 pad.4@24.744,77.962 pad.4@25.77,77.962 pad.4@26.797,77.962 pad.4@27.813,77.962 pad.4@28.702,77.962 pad.4@29.591,77.962 pad.4@30.48,77.962 pad.4@31.369,77.962 pad.4@32.258,77.962 pad.4@34.036,77.962 pad.4@35.179,77.962 pad.4@36.322,77.962 pad.4@37.338,77.962 38.227,77.962 pad.4@38.989,78.724 pad.4@39.751,79.486 pad.4@40.513,80.248 41.529,81.264 ; DP18.2@93.694,124.317 DP18.2@94.107,123.904
  Top Layer w2.54: 41.529,81.264 60.216,99.951 cw(c62.012,98.155) 62.012,100.695 79.847,100.695 ccw(c79.847,103.235) 81.643,101.439 92.588,112.384 ccw(c90.792,114.18) 93.332,114.18 DX_18.2@93.332,118.602
  Bottom Layer w1.27: P_OUT.9@14.027,76.03 pad.4@15.24,77.243 pad.4@15.95,77.953 ; pad.4@15.959,77.962 pad.4@15.95,77.953 ; pad.4@40.513,80.248 pad.4@39.751,79.486 pad.4@38.989,78.724 38.354,78.089 pad.4@38.354,77.962 pad.4@37.338,77.962 pad.4@36.322,77.962 pad.4@35.179,77.962 34.408,77.953 pad.4@33.147,77.953 27.813,77.953 22.691,77.953 20.638,77.953 15.959,77.953 pad.4@15.95,77.953
K_Out_19: LED_19.K P_OUT.8 pad.4@14.587,72.39 pad.4@15.24,72.973 pad.4@15.875,73.608 pad.4@16.764,73.771 pad.4@17.791,73.771 pad.4@18.817,73.771 pad.4@19.844,73.771 pad.4@20.87,73.771 pad.4@21.971,73.771 pad.4@22.998,73.771 pad.4@24.024,73.771 pad.4@25.051,73.771 pad.4@26.077,73.771 pad.4@27.104,73.771 pad.4@28.131,73.771 pad.4@29.157,73.771 pad.4@30.184,73.771 pad.4@31.21,73.771 pad.4@32.237,73.771 pad.4@33.263,73.771 pad.4@34.29,73.771 pad.4@35.433,73.762 pad.4@36.46,73.762 pad.4@37.486,73.762 pad.4@38.513,73.762 pad.4@39.539,73.762 pad.4@40.566,73.762 pad.4@41.592,73.762 pad.4@42.619,73.762 pad.4@43.646,73.762 pad.4@44.672,73.762 pad.4@45.699,73.762 pad.4@46.725,73.762 pad.4@47.752,73.762 pad.4@48.641,74.66 pad.4@49.53,75.549 pad.4@50.292,76.311 pad.4@51.054,77.073 pad.4@114.808,109.585 pad.4@114.808,110.982 pad.4@114.808,112.252 pad.4@114.808,113.649 pad.4@114.808,114.792 pad.4@115.983,109.585 pad.4@115.983,110.982 pad.4@115.983,112.252 pad.4@115.983,113.649 pad.4@115.983,114.792 pad.4@117.157,109.585 pad.4@117.157,110.982 pad.4@117.157,112.252 pad.4@117.157,113.649 pad.4@117.157,114.792 pad.4@118.332,109.585 pad.4@118.332,110.982 pad.4@118.332,112.252 pad.4@118.332,113.649 pad.4@118.332,114.792 pad.4@119.507,109.585 pad.4@119.507,110.982 pad.4@119.507,112.252 pad.4@119.507,113.649 pad.4@119.507,114.792 pad.4@120.682,109.585 pad.4@120.682,110.982 pad.4@120.682,112.252 pad.4@120.682,113.649 pad.4@120.682,114.792 pad.4@121.856,109.585 pad.4@121.856,110.982 pad.4@121.856,112.252 pad.4@121.856,113.649 pad.4@121.856,114.792 pad.4@123.031,109.585 pad.4@123.031,110.982 pad.4@123.031,112.252 pad.4@123.031,113.649 pad.4@123.031,114.792 pad.4@124.206,109.585 pad.4@124.206,110.982 pad.4@124.206,112.252 pad.4@124.206,113.649 pad.4@124.206,114.792 QP19.2 | length 167.9
  Top Layer w0.6: LED_19.K@122.436,116.951 122.436,114.403 122.682,114.157
  Top Layer w1.27: P_OUT.8@14.027,71.83 pad.4@14.587,72.39 15.968,73.771 pad.4@16.764,73.771 pad.4@17.791,73.771 pad.4@18.817,73.771 pad.4@19.844,73.771 pad.4@20.87,73.771 pad.4@21.971,73.771 pad.4@22.998,73.771 pad.4@24.024,73.771 pad.4@25.051,73.771 pad.4@26.077,73.771 pad.4@27.104,73.771 pad.4@28.131,73.771 pad.4@29.157,73.771 pad.4@30.184,73.771 pad.4@31.21,73.771 pad.4@32.237,73.771 pad.4@33.263,73.771 pad.4@34.29,73.771 39.539,73.771 41.592,73.771 47.752,73.771 pad.4@48.641,74.66 ; 49.943,75.962 pad.4@50.102,76.121
  Top Layer w2.54: pad.4@48.641,74.66 pad.4@49.53,75.549 49.943,75.962 ; pad.4@50.102,76.121 pad.4@50.292,76.311 pad.4@51.054,77.073 61.74,87.759 cw(c63.536,85.963) 63.536,88.503 80.101,88.503 ccw(c80.101,91.043) 81.897,89.247 102.126,109.476 cw(c103.922,107.68) 103.922,110.22 115.983,110.22 118.745,110.22 122.682,114.157
  Bottom Layer w1.27: P_OUT.8@14.027,71.83 pad.4@14.587,72.39 15.95,73.753 16.764,73.754 17.791,73.754 18.817,73.755 19.844,73.756 20.87,73.757 21.971,73.757 22.998,73.758 24.024,73.759 25.051,73.76 26.077,73.76 27.104,73.761 28.131,73.762 29.157,73.763 30.184,73.763 31.21,73.764 32.237,73.765 33.263,73.766 34.29,73.766 35.433,73.767 36.322,73.768 36.46,73.768 37.211,73.769 37.486,73.769 38.1,73.769 38.513,73.77 38.989,73.77 39.539,73.77 39.878,73.771 40.566,73.771 40.767,73.771 41.592,73.772 41.656,73.772 42.167,73.772 42.619,73.771 42.672,73.771 47.752,73.771 pad.4@48.641,74.66 ; 49.943,75.962 pad.4@50.292,76.311
  Bottom Layer w2.54: pad.4@48.641,74.66 pad.4@49.53,75.549 49.943,75.962 ; pad.4@50.292,76.311 pad.4@51.054,77.073
K_Out_20: LED_20.K P_OUT.20 pad.4@126.492,106.664 pad.4@126.492,108.061 pad.4@126.492,109.331 pad.4@126.492,110.728 pad.4@126.492,111.871 pad.4@126.492,113.268 pad.4@126.492,114.665 pad.4@126.492,115.935 pad.4@127.667,106.664 pad.4@127.667,108.061 pad.4@127.667,109.331 pad.4@127.667,110.728 pad.4@127.667,111.871 pad.4@127.667,113.268 pad.4@127.667,114.665 pad.4@127.667,115.935 pad.4@128.841,106.664 pad.4@128.841,108.061 pad.4@128.841,109.331 pad.4@128.841,110.728 pad.4@128.841,111.871 pad.4@128.841,113.268 pad.4@128.841,114.665 pad.4@128.841,115.935 pad.4@130.016,106.664 pad.4@130.016,108.061 pad.4@130.016,109.331 pad.4@130.016,110.728 pad.4@130.016,111.871 pad.4@130.016,113.268 pad.4@130.016,114.665 pad.4@130.016,115.935 pad.4@131.191,106.664 pad.4@131.191,108.061 pad.4@131.191,109.331 pad.4@131.191,110.728 pad.4@131.191,111.871 pad.4@131.191,113.268 pad.4@131.191,114.665 pad.4@131.191,115.935 pad.4@132.366,106.664 pad.4@132.366,108.061 pad.4@132.366,109.331 pad.4@132.366,110.728 pad.4@132.366,111.871 pad.4@132.366,113.268 pad.4@132.366,114.665 pad.4@132.366,115.935 pad.4@133.54,106.664 pad.4@133.54,108.061 pad.4@133.54,109.331 pad.4@133.54,110.728 pad.4@133.54,111.871 pad.4@133.54,113.268 pad.4@133.54,114.665 pad.4@133.54,115.935 pad.4@134.715,106.664 pad.4@134.715,108.061 pad.4@134.715,109.331 pad.4@134.715,110.728 pad.4@134.715,111.871 pad.4@134.715,113.268 pad.4@134.715,114.665 pad.4@134.715,115.935 pad.4@135.89,106.664 pad.4@135.89,108.061 pad.4@135.89,109.331 pad.4@135.89,110.728 pad.4@135.89,111.871 pad.4@135.89,113.268 pad.4@135.89,114.665 pad.4@135.89,115.935 QP20.2 | length 136.4
  Top Layer w0.6: 132.08,115.427 132.088,115.435 LED_20.K@132.088,117.84
  Top Layer w2: P_OUT.20@17.8,71.67 50.35,71.67 52.959,74.279
  Top Layer w2.54: 52.959,74.279 63.137,84.457 cw(c64.933,82.661) 64.933,85.201 84.8,85.201 ccw(c84.8,87.741) 86.596,85.945 96.792,96.141 ccw(c94.996,97.937) 97.536,97.937 97.536,100.568 104.013,107.045 135.255,107.045
K_Out_21: P_OUT.7
K_Out_22: P_OUT.6
K_Out_23: P_OUT.4
K_Out_24: P_OUT.5
NetCA1_1: CA1.1 U-05.1 | length 1.3
  Bottom Layer w0.6: CA1.1@50.258,66.159 U-05.1@51.562,66.159
NetCA1_2: CA1.2 LA1.1 SA1.2 U-05.6 | length 11.3
  Bottom Layer w0.6: LA1.1@47.371,69.707 47.371,66.15 ccw(c48.902,66.15) 47.82,65.067 ccw(c48.902,66.15) 48.902,64.619 CA1.2@50.258,64.619 ; SA1.2@50.299,61.96 50.258,62.001 CA1.2@50.258,64.619 ; U-05.6@51.562,64.619 CA1.2@50.258,64.619
NetCA2_1: CA2.1 RA2.1 RA5.1 U-05.3 | length 3.5
  Bottom Layer w0.6: U-05.3@53.721,65.853 RA5.1@54.957,65.853 56.012,65.853 RA2.1@56.056,65.897 56.012,65.941 CA2.1@56.012,67.04
NetCA2_2: CA2.2 CA4.1 LA1.2 RA4.2 RA8.1 | length 19.4
  Top Layer w0.4: v1(56.896,67.675) cw(c55.613,66.392) 57.428,66.392 v1(57.428,63.089)
  Bottom Layer w0.6: CA4.1@52.197,69.707 CA4.1@52.197,69.834 ; CA4.1@52.324,69.834 52.324,71.126 cw(c53.191,71.126) 52.578,71.739 cw(c53.498,70.819) 53.498,72.12 55.124,72.12 cw(c55.124,70.602) 56.197,71.676 ; 56.197,71.676 cw(c54.511,69.989) 56.837,70.516 cw(c54.511,69.989) 56.869,70.348 cw(c54.511,69.989) 56.896,69.989 v1(56.896,67.675) 56.896,67.122 cw(c56.78,67.122) CA2.2@56.862,67.04 ; RA4.2@56.906,63.611 v1(57.428,63.089) 57.658,62.859 RA8.1@57.658,61.833
  Bottom Layer w1.2: LA1.2@50.351,69.707 CA4.1@52.197,69.707
NetCB1_1: CB1.1 U-12.1 | length 1.7
  Bottom Layer w0.4: CB1.1@141.486,96.504 cw(c140.796,95.814) 141.772,95.814 U-12.1@141.772,94.853
NetCB1_2: CB1.2 LB1.1 SB1.2 U-12.6 | length 9.7
  Bottom Layer w0.4: U-12.6@139.622,94.853 139.622,95.721 cw(c140.729,95.721) CB1.2@139.946,96.504 139.946,97.141 cw(c140.841,97.141) 140.208,97.774 cw(c140.515,97.467) 140.515,97.901 143.129,97.901
  Bottom Layer w0.8: 143.129,97.901 cw(c143.047,97.819) 143.163,97.819 143.163,97.571 ; LB1.1@143.163,96.504 143.163,97.571 ; SB1.2@143.723,99.679 143.723,98.923 cw(c142.996,98.923) 143.51,98.409 ccw(c144.348,97.571) 143.163,97.571
NetCB2_1: CB2.1 RB2.1 RB5.1 U-12.3 | length 5.7
  Bottom Layer w0.254: RB2.1@142.367,91.722 cw(c142.367,91.061) 142.834,91.529 cw(c142.223,90.918) 143.087,90.918 143.087,90.281 ccw(c143.599,90.281) 143.133,90.069 ccw(c143.599,90.281) 143.237,89.919 ccw(c143.389,90.071) 143.389,89.856 RB5.1@143.764,89.856
  Bottom Layer w0.4: U-12.3@141.772,92.953 141.224,92.953 CB2.1@141.224,91.722 RB2.1@142.367,91.722
NetCB2_2: CB2.2 CB4.1 LB1.2 RB4.2 RB8.1 | length 20.1
  Bottom Layer w0.4: CB2.2@141.224,90.872 140.374,90.872 ccw(c140.374,90.452) RB4.2@139.954,90.452 139.784,90.452 ccw(c139.784,89.435) 139.065,90.154 ccw(c139.678,89.541) 138.811,89.541 138.811,89.243 ccw(c139.678,89.243) 139.065,88.63 ccw(c139.372,88.937) 139.372,88.503 143.681,88.503 ccw(c143.681,90.237) 144.907,89.011 ccw(c143.598,90.32) 145.449,90.32 CB4.1@145.449,92.948
  Bottom Layer w0.8: CB4.1@145.449,92.948 ccw(c143.774,94.623) 146.143,94.623 146.143,94.912 ; LB1.2@146.143,96.504 146.143,94.912 ; RB8.1@148.209,94.979 146.21,94.979 146.143,94.912
NetCQ1_1: CQ1.1 QP1.2 RQ1.1 U1-2.1 | length 158.7
  Top Layer w0.4: v1(28.448,33.131) ccw(c26.302,33.131) 27.819,34.649 22.715,39.753 ccw(c20.919,37.957) 20.919,40.497 17.816,40.497 cw(c17.816,43.037) 16.02,41.241 cw(c17.597,42.818) 15.367,42.818 15.367,50.367 cw(c17.907,50.367) 16.111,52.163 16.256,52.308 cw(c17.176,51.388) 17.176,52.689 36.794,52.689 cw(c36.794,50.149) 38.59,51.945 v1(43.561,46.974) ; v1(69.85,48.879) cw(c71.383,47.346) 71.383,49.514 98.797,49.514 cw(c98.797,47.346) v1(100.33,48.879) ; v1(118.872,45.958) U1-2.1@120.65,45.958
  Bottom Layer w0.4: CQ1.1@20.65,31.074 20.65,31.607 ccw(c20.65,31.73) 20.737,31.643 21.59,32.496 cw(c23.123,30.963) 23.123,33.131 v1(28.448,33.131) ; v1(43.561,46.974) 48.986,46.974 ccw(c48.986,49.514) 50.782,47.718 51.199,48.135 cw(c52.995,46.339) 52.995,48.879 v1(69.85,48.879) ; v1(100.33,48.879) 101.745,47.464 ccw(c103.541,49.26) 103.541,46.72 111.094,46.72 cw(c111.094,45.419) 112.014,46.339 ccw(c112.934,47.26) 112.934,45.958 v1(118.872,45.958)
  Bottom Layer w2.54: CQ1.1@20.65,31.074 20.65,27.538 RQ1.1@20.701,27.487 20.701,22.937 21.811,21.827 22.303,21.335 23.288,20.351 23.986,19.652 QP1.2@24.638,19
  other v2: 21.209,15.351 22.225,15.351 23.622,15.351 25.019,15.351 21.209,16.335 22.225,16.335 23.622,16.335 25.019,16.335 21.209,17.32 22.225,17.32 23.622,17.32 25.019,17.32 21.209,18.304 22.225,18.304 23.622,18.304 25.019,18.304 21.209,19.288 22.225,19.288 23.622,19.288 25.019,19.288 21.209,20.272 22.225,20.272 23.622,20.272 25.019,20.272 21.209,21.257 22.225,21.257 23.622,21.257 25.019,21.257 21.209,22.241 22.225,22.241 23.622,22.241 25.019,22.241 21.209,23.225 22.225,23.225 23.622,23.225 25.019,23.225
NetCQ2_1: CQ2.1 QP2.2 RQ2.2 U1-2.8 | length 118.5
  Top Layer w0.4: v1(35.052,46.212) 43.452,37.812 cw(c41.656,36.016) 44.196,36.016 v1(44.196,34.528) ; v1(70.231,48.117) 70.249,48.135 cw(c72.045,46.339) 72.045,48.879 98.135,48.879 cw(c98.135,46.339) 99.931,48.135 v1(99.949,48.117) ; v1(111.506,45.958) U1-2.8@115.85,45.958
  Bottom Layer w0.4: v1(35.052,46.212) 48.986,46.212 49.24,45.958 ccw(c49.24,48.498) 51.036,46.702 51.707,47.373 cw(c53.503,45.577) 53.486,48.117 cw(c53.503,45.577) 53.503,48.117 v1(70.231,48.117) ; v1(99.949,48.117) 101.364,46.702 ccw(c103.16,48.498) 103.16,45.958 v1(111.506,45.958)
  Bottom Layer w0.8: CQ2.1@39.929,31.251 39.929,32.396 cw(c42.01,32.396) 40.538,33.867 ; 40.538,33.868 cw(c42.133,32.273) 42.133,34.528 v1(44.196,34.528)
  Bottom Layer w2.54: QP2.2@36.28,19 39.878,22.598 RQ2.2@39.878,27.487 39.929,27.538 CQ2.1@39.929,31.251
  other v2: 31.623,15.827 32.639,15.827 33.909,15.827 35.179,15.827 36.576,15.827 31.623,16.812 32.639,16.812 33.909,16.812 35.179,16.812 36.576,16.812 31.623,17.796 32.639,17.796 33.909,17.796 35.179,17.796 31.623,18.78 32.639,18.78 33.909,18.78 40.005,19.542 31.623,19.764 32.639,19.764 31.623,20.749 38.481,20.939 37.465,22.209 36.449,23.479